# KiCad board v1b.kicad_pcb
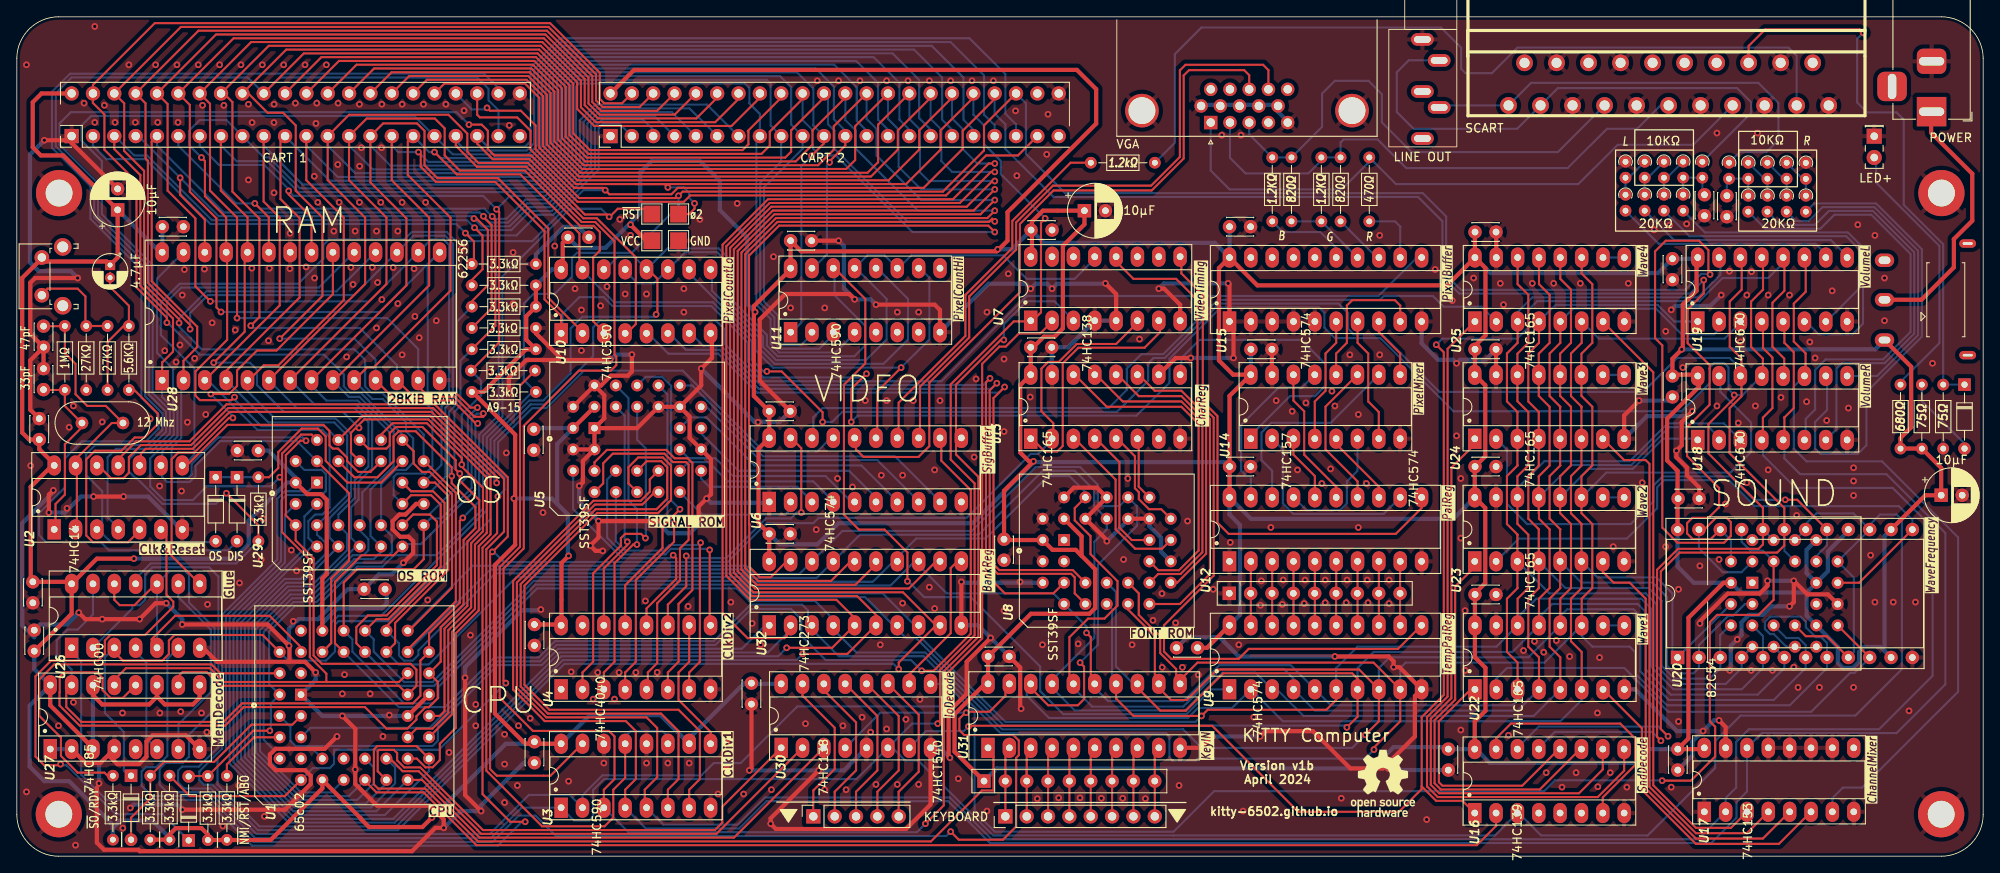
[diagram p0: board, top side]
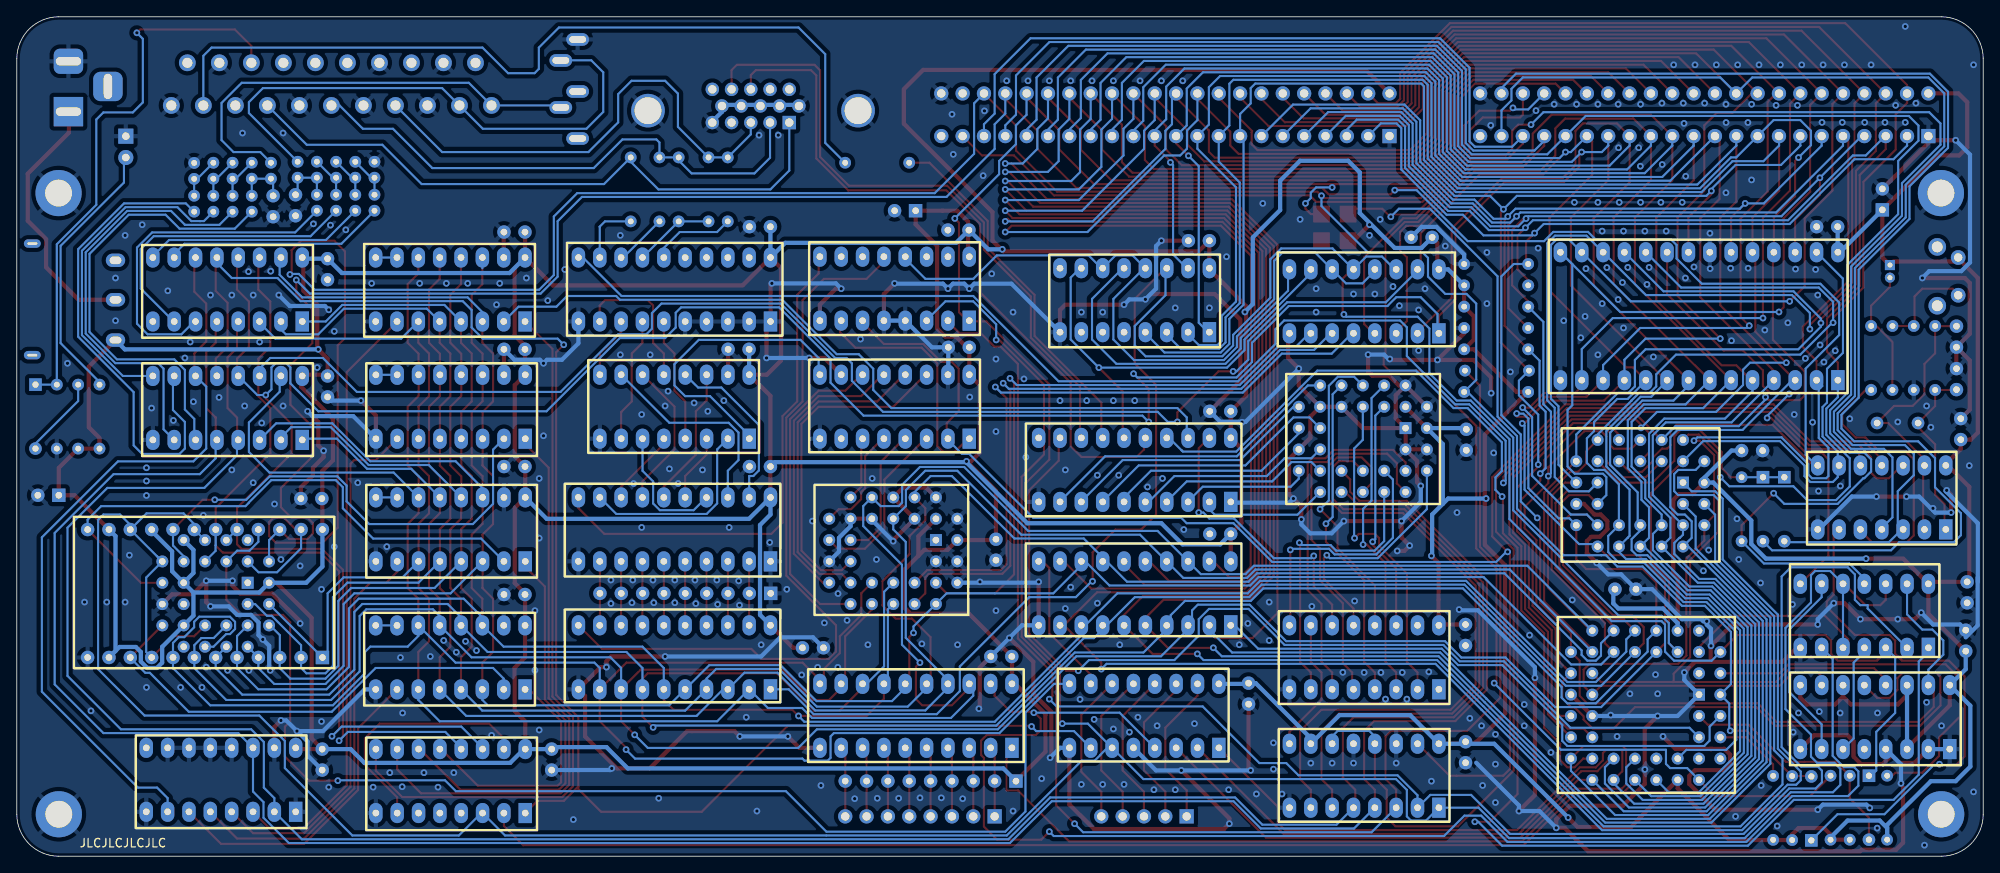
[diagram p1: board, bottom side, seen from below]

Outline 234 x 100 mm; copper layers: Top, Bottom. Coordinates in mm from the lower left corner of the outline.
Outline path: 0,95 0,5 arc(1.46,1.46) 5,0 229,0 arc(232.54,1.46) 234,5 234,95 arc(232.54,98.54) 229,100 5,100 arc(1.46,98.54) 0,95
Stack: Top 0.035mm / dielectric 1.51mm FR4 er 4.5 / Bottom 0.035mm

## Placement (name value [footprint] x y rotation side)
C1  4.7µF  [CP_Radial_D4.0mm_P1.50mm]  11.1 70.42 270 top
C2  33pF  [C_Disc_D3.0mm_W2.0mm_P2.50mm]  3.18 55.58 90 top
C3  47pF  [C_Disc_D3.0mm_W2.0mm_P2.50mm]  3.18 63.14 270 top
C4  100nF  [C_Disc_D3.0mm_W2.0mm_P2.50mm]  200.83 76.3 90 top
C5  100nF  [C_Disc_D3.0mm_W2.0mm_P2.50mm]  203.5 76.18 90 top
C6  10µF  [CP_Radial_D6.3mm_P2.50mm]  229 43 0 top
C7  10µF  [CP_Radial_D6.3mm_P2.50mm]  127.04 76.9 0 top
C8  10µF  [CP_Radial_D6.3mm_P2.50mm]  12 77 90 top
Cd1  100nF  [C_Disc_D3.0mm_W2.0mm_P2.50mm]  140.51 24.83 180 top
Cd2  100nF  [C_Disc_D3.0mm_W2.0mm_P2.50mm]  115.59 23.8 0 top
Cd3  100nF  [C_Disc_D3.0mm_W2.0mm_P2.50mm]  120.66 60.62 0 top
Cd4  100nF  [C_Disc_D3.0mm_W2.0mm_P2.50mm]  89.54 38.4 0 top
Cd5  100nF  [C_Disc_D3.0mm_W2.0mm_P2.50mm]  92.08 73.33 0 top
Cd6  100nF  [C_Disc_D3.0mm_W2.0mm_P2.50mm]  117.48 37.77 270 top
Cd7  100nF  [C_Disc_D3.0mm_W2.0mm_P2.50mm]  89.54 53 0 top
Cd8  100nF  [C_Disc_D3.0mm_W2.0mm_P2.50mm]  61.6 27.61 270 top
Cd9  100nF  [C_Disc_D3.0mm_W2.0mm_P2.50mm]  173.53 46.42 0 top
Cd10  100nF  [C_Disc_D3.0mm_W2.0mm_P2.50mm]  28.75 48.32 180 top
Cd11  100nF  [C_Disc_D3.0mm_W2.0mm_P2.50mm]  61.6 13.64 270 top
Cd12  100nF  [C_Disc_D3.0mm_W2.0mm_P2.50mm]  144.32 74.99 0 top
Cd13  100nF  [C_Disc_D3.0mm_W2.0mm_P2.50mm]  2.08 24.43 90 top
Cd14  100nF  [C_Disc_D3.0mm_W2.0mm_P2.50mm]  43.82 31.81 180 top
Cd15  100nF  [C_Disc_D3.0mm_W2.0mm_P2.50mm]  1.91 32.69 270 top
Cd16  100nF  [C_Disc_D3.0mm_W2.0mm_P2.50mm]  173.53 31.18 0 top
Cd17  100nF  [C_Disc_D3.0mm_W2.0mm_P2.50mm]  146.86 60.39 0 top
Cd18  100nF  [C_Disc_D3.0mm_W2.0mm_P2.50mm]  17.32 74.99 0 top
Cd19  100nF  [C_Disc_D3.0mm_W2.0mm_P2.50mm]  65.58 73.72 0 top
Cd20  100nF  [C_Disc_D3.0mm_W2.0mm_P2.50mm]  197.7 42.61 0 top
Cd22  100nF  [C_Disc_D3.0mm_W2.0mm_P2.50mm]  197.66 12.76 270 top
Cd23  100nF  [C_Disc_D3.0mm_W2.0mm_P2.50mm]  197.02 71.18 270 top
Cd24  100nF  [C_Disc_D3.0mm_W2.0mm_P2.50mm]  197.02 57.21 270 top
Cd25  100nF  [C_Disc_D3.0mm_W2.0mm_P2.50mm]  87.42 20.62 270 top
Cd26  100nF  [C_Disc_D3.0mm_W2.0mm_P2.50mm]  144.32 46.42 0 top
Cd27  100nF  [C_Disc_D3.0mm_W2.0mm_P2.50mm]  2.67 49.63 90 top
Cd28  100nF  [C_Disc_D3.0mm_W2.0mm_P2.50mm]  173.53 60.39 0 top
Cd29  100nF  [C_Disc_D3.0mm_W2.0mm_P2.50mm]  120.69 74.59 0 top
Cd30  100nF  [C_Disc_D3.0mm_W2.0mm_P2.50mm]  173.53 74.36 0 top
Cd31  100nF  [C_Disc_D3.0mm_W2.0mm_P2.50mm]  61.51 50.86 270 top
Cd32  100nF  [C_Disc_D3.0mm_W2.0mm_P2.50mm]  170.35 12.76 270 top
D1  D_Small  [D_DO-34_SOD68_P7.62mm_Horizontal]  13.59 9.59 270 top
D2  D_Small  [D_DO-34_SOD68_P7.62mm_Horizontal]  231.78 56.18 270 top
D3  Power  [LED_Rectangular_W5.0mm_H2.0mm]  221.03 85.78 270 top
D4  D_Small  [D_DO-34_SOD68_P7.62mm_Horizontal]  26.21 45.15 270 top
D5  D_Small  [D_DO-34_SOD68_P7.62mm_Horizontal]  23.67 45.15 270 top
D6  D_Small  [D_DO-34_SOD68_P7.62mm_Horizontal]  20.45 1.88 90 top
H1  MountingHole_Pad  [MountingHole_3.2mm_M3_ISO14580_Pad]  5.03 79 0 top
H2  MountingHole_Pad  [MountingHole_3.2mm_M3_ISO14580_Pad]  5 5 0 top
H3  MountingHole_Pad  [MountingHole_3.2mm_M3_ISO14580_Pad]  229.03 79 0 top
H4  MountingHole_Pad  [MountingHole_3.2mm_M3_ISO14580_Pad]  229 5 0 top
J1  KeyIN  [PinSocket_1x05_P2.54mm_Vertical]  94.79 4.75 90 top
J2  KeyOUT  [PinHeader_1x08_P2.54mm_Vertical]  117.64 4.75 90 top
J3  Barrel_Jack_MountingPin  [BarrelJack_Horizontal]  227.86 88.7 270 top
J4  SCART-F  [SCART]  196.56 96.72 180 top
J5  Conn_02x22_Odd_Even  [EdgeHeader_2x22_P2.54mm_Vertical]  6.52 85.79 90 top
J6  Conn_02x22_Odd_Even  [EdgeHeader_2x22_P2.54mm_Vertical]  70.65 85.79 90 top
J7  DE15_Plug_HighDensity_MountingHoles  [DSUB-15-HD_Female_Horizontal_P2.29x1.98mm_EdgePinOffset8.35mm_Housed_MountingHolesOffset10.89mm]  142.07 87.4 180 top
J8  PJ-325  [Jack_3.5mm_PJ-325]  171.36 98.5 180 top
R1  3.3kΩ  [R_Axial_DIN0204_L3.6mm_D1.6mm_P7.62mm_Horizontal]  15.88 9.59 270 top
R2  3.3kΩ  [R_Axial_DIN0204_L3.6mm_D1.6mm_P7.62mm_Horizontal]  61.77 55.31 180 top
R3  3.3kΩ  [R_Axial_DIN0204_L3.6mm_D1.6mm_P7.62mm_Horizontal]  18.17 9.59 270 top
R4  27KΩ  [R_Axial_DIN0204_L3.6mm_D1.6mm_P7.62mm_Horizontal]  8.26 63.17 270 top
R5  27KΩ  [R_Axial_DIN0204_L3.6mm_D1.6mm_P7.62mm_Horizontal]  10.8 63.17 270 top
R6  5.6KΩ  [R_Axial_DIN0204_L3.6mm_D1.6mm_P7.62mm_Horizontal]  13.34 63.17 270 top
R7  1MΩ  [R_Axial_DIN0204_L3.6mm_D1.6mm_P7.62mm_Horizontal]  5.72 55.55 90 top
R8  3.3kΩ  [R_Axial_DIN0204_L3.6mm_D1.6mm_P7.62mm_Horizontal]  54.05 57.85 0 top
R9  3.3kΩ  [R_Axial_DIN0204_L3.6mm_D1.6mm_P7.62mm_Horizontal]  54.15 60.39 0 top
R10  3.3kΩ  [R_Axial_DIN0204_L3.6mm_D1.6mm_P7.62mm_Horizontal]  54.15 62.93 0 top
R11  3.3kΩ  [R_Axial_DIN0204_L3.6mm_D1.6mm_P7.62mm_Horizontal]  54.15 65.47 0 top
R12  3.3kΩ  [R_Axial_DIN0204_L3.6mm_D1.6mm_P7.62mm_Horizontal]  54.15 68.01 0 top
R13  3.3kΩ  [R_Axial_DIN0204_L3.6mm_D1.6mm_P7.62mm_Horizontal]  54.15 70.55 0 top
R14  1.2KΩ  [R_Axial_DIN0204_L3.6mm_D1.6mm_P7.62mm_Horizontal]  149.4 75.63 90 top
R15  820Ω  [R_Axial_DIN0204_L3.6mm_D1.6mm_P7.62mm_Horizontal]  151.68 75.63 90 top
R16  1.2KΩ  [R_Axial_DIN0204_L3.6mm_D1.6mm_P7.62mm_Horizontal]  155.24 75.63 90 top
R17  820Ω  [R_Axial_DIN0204_L3.6mm_D1.6mm_P7.62mm_Horizontal]  157.53 75.63 90 top
R18  470Ω  [R_Axial_DIN0204_L3.6mm_D1.6mm_P7.62mm_Horizontal]  160.94 75.63 90 top
R19  20KΩ  [R_Axial_DIN0204_L3.6mm_D1.6mm_P1.90mm_Vertical]  191.44 78.8 270 top
R20  20KΩ  [R_Axial_DIN0204_L3.6mm_D1.6mm_P1.90mm_Vertical]  193.72 78.8 270 top
R21  20KΩ  [R_Axial_DIN0204_L3.6mm_D1.6mm_P1.90mm_Vertical]  196.01 78.8 270 top
R22  20KΩ  [R_Axial_DIN0204_L3.6mm_D1.6mm_P1.90mm_Vertical]  198.29 78.8 270 top
R23  20KΩ  [R_Axial_DIN0204_L3.6mm_D1.6mm_P1.90mm_Vertical]  191.44 82.73 270 top
R24  10KΩ  [R_Axial_DIN0204_L3.6mm_D1.6mm_P1.90mm_Vertical]  193.72 82.73 270 top
R25  10KΩ  [R_Axial_DIN0204_L3.6mm_D1.6mm_P1.90mm_Vertical]  196.01 82.73 270 top
R26  10KΩ  [R_Axial_DIN0204_L3.6mm_D1.6mm_P1.90mm_Vertical]  198.29 82.73 270 top
R27  R_Small  [R_Axial_DIN0204_L3.6mm_D1.6mm_P1.90mm_Vertical]  200.58 82.73 270 top
R28  20KΩ  [R_Axial_DIN0204_L3.6mm_D1.6mm_P1.90mm_Vertical]  212.9 78.68 270 top
R29  20KΩ  [R_Axial_DIN0204_L3.6mm_D1.6mm_P1.90mm_Vertical]  210.61 78.68 270 top
R30  20KΩ  [R_Axial_DIN0204_L3.6mm_D1.6mm_P1.90mm_Vertical]  208.33 78.68 270 top
R31  20KΩ  [R_Axial_DIN0204_L3.6mm_D1.6mm_P1.90mm_Vertical]  206.04 78.68 270 top
R32  20KΩ  [R_Axial_DIN0204_L3.6mm_D1.6mm_P1.90mm_Vertical]  212.9 82.59 270 top
R33  10KΩ  [R_Axial_DIN0204_L3.6mm_D1.6mm_P1.90mm_Vertical]  210.61 82.61 270 top
R34  10KΩ  [R_Axial_DIN0204_L3.6mm_D1.6mm_P1.90mm_Vertical]  208.33 82.61 270 top
R35  10KΩ  [R_Axial_DIN0204_L3.6mm_D1.6mm_P1.90mm_Vertical]  206.04 82.61 270 top
R36  R_Small  [R_Axial_DIN0204_L3.6mm_D1.6mm_P1.90mm_Vertical]  203.75 82.61 270 top
R37  3.3kΩ  [R_Axial_DIN0204_L3.6mm_D1.6mm_P7.62mm_Horizontal]  28.75 37.53 90 top
R38  75Ω  [R_Axial_DIN0204_L3.6mm_D1.6mm_P7.62mm_Horizontal]  226.7 48.56 90 top
R39  1.2kΩ  [R_Axial_DIN0204_L3.6mm_D1.6mm_P7.62mm_Horizontal]  127.81 82.61 0 top
R40  75Ω  [R_Axial_DIN0204_L3.6mm_D1.6mm_P7.62mm_Horizontal]  229.24 56.18 270 top
R41  680Ω  [R_Axial_DIN0204_L3.6mm_D1.6mm_P7.62mm_Horizontal]  224.16 48.56 90 top
R42  3.3kΩ  [R_Axial_DIN0204_L3.6mm_D1.6mm_P7.62mm_Horizontal]  11.44 9.59 270 top
R43  3.3kΩ  [R_Axial_DIN0204_L3.6mm_D1.6mm_P7.62mm_Horizontal]  22.74 9.55 270 top
R44  3.3kΩ  [R_Axial_DIN0204_L3.6mm_D1.6mm_P7.62mm_Horizontal]  25 9.57 270 top
RN1  3.3kΩ  [R_Array_SIP9]  144.29 31.31 0 top
RN2  100KΩ  [R_Array_SIP9]  115.1 8.95 0 top
SW1  RESET  [SW_Tactile_SPST_Angled_PTS645Vx83-2LFS]  2.98 66.83 90 top
SW2  SS-12D11-G5  [SW_Slide_1P2T_CK_OS102011MS2Q]  229.56 64.29 90 top
SY1  Logo_Open_Hardware_Small  [OSHW-Logo_7.5x8mm_SilkScreen]  162.56 8.68 0 top
TP1  TestPoint  [TestPoint_Pad_2.0x2.0mm]  75.57 73.33 0 top
TP2  TestPoint  [TestPoint_Pad_2.0x2.0mm]  78.75 73.33 0 top
TP3  TestPoint  [TestPoint_Pad_2.0x2.0mm]  75.57 76.5 0 top
TP4  TestPoint  [TestPoint_Pad_2.0x2.0mm]  78.75 76.5 0 top
U1  65c02  [PLCC-44_THT-Socket]  33.82 19.25 90 top
U2  74HC14  [DIP-14_W7.62mm_Socket_LongPads]  4.45 38.94 90 top
U3  74HC590  [DIP-16_W7.62mm_Socket_LongPads]  64.78 5.78 90 top
U4  74HC4040  [DIP-16_W7.62mm_Socket_LongPads]  64.78 19.89 90 top
U5  SST39SF  [PLCC-32_THT-Socket]  68.74 51 90 top
U6  74HC574  [DIP-20_W7.62mm_Socket_LongPads]  89.54 42.21 90 top
U7  74HC138  [DIP-16_W7.62mm_Socket_LongPads]  120.66 63.8 90 top
U8  SST39SF  [PLCC-32_THT-Socket]  124.62 37.67 90 top
U9  74HC574  [DIP-20_W7.62mm_Socket_LongPads]  144.31 19.89 90 top
U10  74HC590  [DIP-16_W7.62mm_Socket_LongPads]  64.78 62.29 90 top
U11  74HC590  [DIP-16_W7.62mm_Socket_LongPads]  92.08 62.43 90 top
U12  74HC574  [DIP-20_W7.62mm_Socket_LongPads]  144.31 35.12 90 top
U13  74HC165  [DIP-16_W7.62mm_Socket_LongPads]  120.66 49.74 90 top
U14  74HC157  [DIP-16_W7.62mm_Socket_LongPads]  146.84 49.74 90 top
U15  74HC574  [DIP-20_W7.62mm_Socket_LongPads]  144.31 63.7 90 top
U16  74HC139  [DIP-16_W7.62mm_Socket_LongPads]  173.49 5.14 90 top
U17  74HC153  [DIP-16_W7.62mm_Socket_LongPads]  200.81 5.29 90 top
U18  74HC670  [DIP-16_W7.62mm_Socket_LongPads]  200.03 49.59 90 top
U19  74HC670  [DIP-16_W7.62mm_Socket_LongPads]  200.03 63.7 90 top
U20  82C54  [DIP-24_W15.24mm_Socket]  197.63 23.67 90 top
U21  82C54 (PLCC)  [PLCC-28_THT-Socket]  206.52 32.58 90 top
U22  74HC165  [DIP-16_W7.62mm_Socket_LongPads]  173.52 19.88 90 top
U23  74HC165  [DIP-16_W7.62mm_Socket_LongPads]  173.49 35.12 90 top
U24  74HC165  [DIP-16_W7.62mm_Socket_LongPads]  173.49 49.73 90 top
U25  74HC165  [DIP-16_W7.62mm_Socket_LongPads]  173.52 63.7 90 top
U26  74HC00  [DIP-14_W7.62mm_Socket_LongPads]  6.52 24.83 90 top
U27  74HC85  [DIP-16_W7.62mm_Socket_LongPads]  3.98 12.76 90 top
U28  62256  [DIP-28_W15.24mm_Socket_LongPads]  17.29 56.71 90 top
U29  SST39SF  [PLCC-32_THT-Socket]  35.72 44.51 90 top
U30  74HC138  [DIP-16_W7.62mm_Socket_LongPads]  90.96 12.91 90 top
U31  74HCT540  [DIP-20_W7.62mm_Socket_LongPads]  115.57 12.91 90 top
U32  74HC273  [DIP-20_W7.62mm_Socket_LongPads]  89.54 27.5 90 top
Y1  12 Mhz  [Crystal_HC49-U_Vertical]  7.75 51.61 0 top

## Library data of the parts
C1 C6-C8 = -: Description: Polarized capacitor
C2 C3 = -: Description: Unpolarized capacitor, small symbol
C4 C5 Cd1-Cd20 Cd22-Cd32 = -: Description: Unpolarized capacitor
D1 D2 D4-D6 = -: Description: Diode, small symbol; Sim.Device: D; Sim.Pins: 1=K 2=A
D3 = -: Description: Light emitting diode, filled shape
H1-H4 = -: Description: Mounting Hole with connection
J1 = -: Description: Generic connector, single row, 01x05, script generated
J2 = -: Description: Generic connector, single row, 01x08, script generated (kicad-library-utils/schlib/autogen/connector/)
J3 = -: Description: DC Barrel Jack with a mounting pin
J4 = -: Description: Prise Peritel
J5 J6 = -: Description: Generic connector, double row, 02x22, odd/even pin numbering scheme (row 1 odd numbers, row 2 even numbers), script generated (kicad-library-utils/schlib/autogen/connector/)
J7 = -: Description: 15-pin male plug socket D-SUB connector, High density (3 columns), Triple Row, Generic, VGA-connector, Mounting Hole
J8 = -: Description: Audio Jack, 3 Poles (Stereo / TRS), Switched TR Poles (Normalling)
R1-R3 R7-R13 R19-R44 = -: Description: Resistor, small symbol
R4-R6 R14-R18 = -: Description: Resistor
RN1 RN2 = -: Description: 8 resistor network, star topology, bussed resistors, small symbol
SW1 = -: Description: Push button switch, generic, two pins
SW2 = -: Description: Switch, single pole double throw
SY1 = -: Description: Open Hardware logo, small
TP1-TP4 = -: Description: test point
U1 = -: Description: W65C02S 8-bit CMOS General Purpose Microprocessor, PLCC-44
U2 = -: Description: Hex inverter schmitt trigger
U3 = -: Description: 8-bit Binary Counter with Output Register 3-State Outputs, SOIC-16/TSSOP-16
U4 = -: Description: Binary Counter 12 stages (Asynchronous)
U5 = -: Description: 512K x 8 5v Flash Nor; Label: Video Sig ROM
U6 U9 U12 U15 = -: Description: 8-bit Register, 3-state outputs
U7 U30 = -: Description: 3-to-8 line decoder/multiplexer inverting, DIP-16/SOIC-16/SSOP-16
U8 U29 = -: Description: 512K x 8 5v Flash Nor
U10 U11 = -: Description: 8-bit Binary Counter with Output Register 3-State Outputs, DIP-16/SOIC-16/SOIC-16W
U13 U22-U25 = -: Description: Shift Register, 8-bit, Parallel Load
U14 = -: Description: Quad 2 to 1 line Multiplexer
U16 = -: Description: Dual Decoder 1 of 4, Active low outputs
U17 = -: Description: Dual Multiplexer 4 to 1
U18 U19 = -: Description: 4 x 4 Register Files 3-State Outputs
U20 = -: Description: CHMOS Programmable Interval Timer, PDIP-24
U21 = -: Description: CHMOS Programmable Interval Timer, PLCC-28
U26 = -: Description: quad 2-input NAND gate
U27 = -: Description: 4-bit Comparator
U28 = -: Description: 32,768-word × 8-bit High Speed CMOS Static RAM, 70ns, DIP-28
U31 = -: Description: 8-bit Buffer/Line driver Inverter, 3-state outputs
U32 = -: Description: 8-bit D Flip-Flop, reset
Y1 = -: Description: Two pin crystal

## Footprints (pads in the part's own frame, mm; a bottom-side part is the same pattern mirrored in y, then rotated)
BarrelJack_Horizontal
  rect 3.5x3.5 hole 1x3: 1(0,0)
  rrect 3x3.5 hole 1x3: 2(-6,0)
  rrect 3.5x3.5 hole 3x1: MP(-3,-4.7)
C_Disc_D3.0mm_W2.0mm_P2.50mm
  round 1.6 hole 0.8: 1(0,0) 2(2.5,0)
CP_Radial_D4.0mm_P1.50mm
  rect 1.2x1.2 hole 0.6: 1(0,0)
  round 1.2 hole 0.6: 2(1.5,0)
CP_Radial_D6.3mm_P2.50mm
  rect 1.6x1.6 hole 0.8: 1(0,0)
  round 1.6 hole 0.8: 2(2.5,0)
Crystal_HC49-U_Vertical
  round 1.5 hole 0.8: 1(0,0) 2(4.88,0)
D_DO-34_SOD68_P7.62mm_Horizontal
  rect 1.5x1.5 hole 0.75: 1(0,0)
  oval 1.5x1.5 hole 0.75: 2(7.62,0)
DIP-14_W7.62mm_Socket_LongPads
  rect 2.4x1.6 hole 0.8: 1(0,0)
  oval 2.4x1.6 hole 0.8: 2(0,-2.54) 3(0,-5.08) 4(0,-7.62) 5(0,-10.16) 6(0,-12.7) 7(0,-15.24) 8(7.62,-15.24) 9(7.62,-12.7) 10(7.62,-10.16) 11(7.62,-7.62) 12(7.62,-5.08) 13(7.62,-2.54) 14(7.62,0)
DIP-16_W7.62mm_Socket_LongPads
  rect 2.4x1.6 hole 0.8: 1(0,0)
  oval 2.4x1.6 hole 0.8: 2(0,-2.54) 3(0,-5.08) 4(0,-7.62) 5(0,-10.16) 6(0,-12.7) 7(0,-15.24) 8(0,-17.78) 9(7.62,-17.78) 10(7.62,-15.24) 11(7.62,-12.7) 12(7.62,-10.16) 13(7.62,-7.62) 14(7.62,-5.08) 15(7.62,-2.54) 16(7.62,0)
DIP-20_W7.62mm_Socket_LongPads
  rect 2.4x1.6 hole 0.8: 1(0,0)
  oval 2.4x1.6 hole 0.8: 2(0,-2.54) 3(0,-5.08) 4(0,-7.62) 5(0,-10.16) 6(0,-12.7) 7(0,-15.24) 8(0,-17.78) 9(0,-20.32) 10(0,-22.86) 11(7.62,-22.86) 12(7.62,-20.32) 13(7.62,-17.78) 14(7.62,-15.24) 15(7.62,-12.7) 16(7.62,-10.16) 17(7.62,-7.62) 18(7.62,-5.08) 19(7.62,-2.54) 20(7.62,0)
DIP-24_W15.24mm_Socket
  rect 1.6x1.6 hole 0.8: 1(0,0)
  oval 1.6x1.6 hole 0.8: 2(0,-2.54) 3(0,-5.08) 4(0,-7.62) 5(0,-10.16) 6(0,-12.7) 7(0,-15.24) 8(0,-17.78) 9(0,-20.32) 10(0,-22.86) 11(0,-25.4) 12(0,-27.94) 13(15.24,-27.94) 14(15.24,-25.4) 15(15.24,-22.86) 16(15.24,-20.32) 17(15.24,-17.78) 18(15.24,-15.24) 19(15.24,-12.7) 20(15.24,-10.16) 21(15.24,-7.62) 22(15.24,-5.08) 23(15.24,-2.54) 24(15.24,0)
DIP-28_W15.24mm_Socket_LongPads
  rect 2.4x1.6 hole 0.8: 1(0,0)
  oval 2.4x1.6 hole 0.8: 2(0,-2.54) 3(0,-5.08) 4(0,-7.62) 5(0,-10.16) 6(0,-12.7) 7(0,-15.24) 8(0,-17.78) 9(0,-20.32) 10(0,-22.86) 11(0,-25.4) 12(0,-27.94) 13(0,-30.48) 14(0,-33.02) 15(15.24,-33.02) 16(15.24,-30.48) 17(15.24,-27.94) 18(15.24,-25.4) 19(15.24,-22.86) 20(15.24,-20.32) 21(15.24,-17.78) 22(15.24,-15.24) 23(15.24,-12.7) 24(15.24,-10.16) 25(15.24,-7.62) 26(15.24,-5.08) 27(15.24,-2.54) 28(15.24,0)
DSUB-15-HD_Female_Horizontal_P2.29x1.98mm_EdgePinOffset8.35mm_Housed_MountingHolesOffset10.89mm
  round 4 hole 3.2: 0(-16.815,-1.42) 0(8.185,-1.42)
  rect 1.6x1.6 hole 1: 1(0,0)
  round 1.6 hole 1: 2(-2.29,0) 3(-4.58,0) 4(-6.87,0) 5(-9.16,0) 6(1.145,-1.98) 7(-1.145,-1.98) 8(-3.435,-1.98) 9(-5.725,-1.98) 10(-8.015,-1.98) 11(0,-3.96) 12(-2.29,-3.96) 13(-4.58,-3.96) 14(-6.87,-3.96) 15(-9.16,-3.96)
EdgeHeader_2x22_P2.54mm_Vertical
  rect 1.7x1.7 hole 1: 1(0,0)
  oval 1.7x1.7 hole 1: 2(5.08,0) 3(0,-2.54) 4(5.08,-2.54) 5(0,-5.08) 6(5.08,-5.08) 7(0,-7.62) 8(5.08,-7.62) 9(0,-10.16) 10(5.08,-10.16) 11(0,-12.7) 12(5.08,-12.7) 13(0,-15.24) 14(5.08,-15.24) 15(0,-17.78) 16(5.08,-17.78) 17(0,-20.32) 18(5.08,-20.32) 19(0,-22.86) 20(5.08,-22.86) 21(0,-25.4) 22(5.08,-25.4) 23(0,-27.94) 24(5.08,-27.94) 25(0,-30.48) 26(5.08,-30.48) 27(0,-33.02) 28(5.08,-33.02) 29(0,-35.56) 30(5.08,-35.56) 31(0,-38.1) 32(5.08,-38.1) 33(0,-40.64) 34(5.08,-40.64) 35(0,-43.18) 36(5.08,-43.18) 37(0,-45.72) 38(5.08,-45.72) 39(0,-48.26) 40(5.08,-48.26)
  round 1.7 hole 1: 41(0,-50.8) 42(5.08,-50.8) 43(0,-53.34) 44(5.08,-53.34)
Jack_3.5mm_PJ-325
  oval 2.7x1.5 hole 2x0.8: R(2.1,9.3) RN(4.1,7.4) S(4.1,1.2) T(2.1,3.7) TN(4.1,13)
LED_Rectangular_W5.0mm_H2.0mm
  rect 1.8x1.8 hole 0.9: 1(0,0)
  round 1.8 hole 0.9: 2(2.54,0)
MountingHole_3.2mm_M3_ISO14580_Pad
  round 5.5 hole 3.2: 1(0,0)
PinHeader_1x08_P2.54mm_Vertical
  rect 1.7x1.7 hole 1: 1(0,0)
  oval 1.7x1.7 hole 1: 2(0,-2.54) 3(0,-5.08) 4(0,-7.62) 5(0,-10.16) 6(0,-12.7) 7(0,-15.24) 8(0,-17.78)
PinSocket_1x05_P2.54mm_Vertical
  rect 1.7x1.7 hole 1: 1(0,0)
  oval 1.7x1.7 hole 1: 2(0,-2.54) 3(0,-5.08) 4(0,-7.62) 5(0,-10.16)
PLCC-28_THT-Socket
  rect 1.422x1.422 hole 0.8: 1(0,0)
  round 1.422 hole 0.8: 2(-2.54,2.54) 3(-2.54,0) 4(-5.08,2.54) 5(-7.62,0) 6(-5.08,0) 7(-7.62,-2.54) 8(-5.08,-2.54) 9(-7.62,-5.08) 10(-5.08,-5.08) 11(-7.62,-7.62) 12(-5.08,-10.16) 13(-5.08,-7.62) 14(-2.54,-10.16) 15(-2.54,-7.62) 16(0,-10.16) 17(0,-7.62) 18(2.54,-10.16) 19(5.08,-7.62) 20(2.54,-7.62) 21(5.08,-5.08) 22(2.54,-5.08) 23(5.08,-2.54) 24(2.54,-2.54) 25(5.08,0) 26(2.54,2.54) 27(2.54,0) 28(0,2.54)
PLCC-32_THT-Socket
  rect 1.422x1.422 hole 0.8: 1(0,0)
  round 1.422 hole 0.8: 2(-2.54,2.54) 3(-2.54,0) 4(-5.08,2.54) 5(-7.62,0) 6(-5.08,0) 7(-7.62,-2.54) 8(-5.08,-2.54) 9(-7.62,-5.08) 10(-5.08,-5.08) 11(-7.62,-7.62) 12(-5.08,-7.62) 13(-7.62,-10.16) 14(-5.08,-12.7) 15(-5.08,-10.16) 16(-2.54,-12.7) 17(-2.54,-10.16) 18(0,-12.7) 19(0,-10.16) 20(2.54,-12.7) 21(5.08,-10.16) 22(2.54,-10.16) 23(5.08,-7.62) 24(2.54,-7.62) 25(5.08,-5.08) 26(2.54,-5.08) 27(5.08,-2.54) 28(2.54,-2.54) 29(5.08,0) 30(2.54,2.54) 31(2.54,0) 32(0,2.54)
PLCC-44_THT-Socket
  rect 1.422x1.422 hole 0.8: 1(0,0)
  round 1.422 hole 0.8: 2(-2.54,2.54) 3(-2.54,0) 4(-5.08,2.54) 5(-5.08,0) 6(-7.62,2.54) 7(-10.16,0) 8(-7.62,0) 9(-10.16,-2.54) 10(-7.62,-2.54) 11(-10.16,-5.08) 12(-7.62,-5.08) 13(-10.16,-7.62) 14(-7.62,-7.62) 15(-10.16,-10.16) 16(-7.62,-10.16) 17(-10.16,-12.7) 18(-7.62,-15.24) 19(-7.62,-12.7) 20(-5.08,-15.24) 21(-5.08,-12.7) 22(-2.54,-15.24) 23(-2.54,-12.7) 24(0,-15.24) 25(0,-12.7) 26(2.54,-15.24) 27(2.54,-12.7) 28(5.08,-15.24) 29(7.62,-12.7) 30(5.08,-12.7) 31(7.62,-10.16) 32(5.08,-10.16) 33(7.62,-7.62) 34(5.08,-7.62) 35(7.62,-5.08) 36(5.08,-5.08) 37(7.62,-2.54) 38(5.08,-2.54) 39(7.62,0) 40(5.08,2.54) 41(5.08,0) 42(2.54,2.54) 43(2.54,0) 44(0,2.54)
R_Array_SIP9
  rect 1.6x1.6 hole 0.8: 1(0,0)
  oval 1.6x1.6 hole 0.8: 2(2.54,0) 3(5.08,0) 4(7.62,0) 5(10.16,0) 6(12.7,0) 7(15.24,0) 8(17.78,0) 9(20.32,0)
R_Axial_DIN0204_L3.6mm_D1.6mm_P1.90mm_Vertical
  round 1.4 hole 0.7: 1(0,0)
  oval 1.4x1.4 hole 0.7: 2(1.9,0)
R_Axial_DIN0204_L3.6mm_D1.6mm_P7.62mm_Horizontal
  round 1.4 hole 0.7: 1(0,0)
  oval 1.4x1.4 hole 0.7: 2(7.62,0)
SCART
  round 1.999 hole 1.199: 1(19.05,7.28) 2(17.145,2.2) 3(15.24,7.28) 4(13.335,2.2) 5(11.43,7.28) 6(9.525,2.2) 7(7.62,7.28) 8(5.715,2.2) 9(3.81,7.28) 10(1.905,2.2) 11(0,7.28) 12(-1.905,2.2) 13(-3.81,7.28) 14(-5.715,2.2) 15(-7.62,7.28) 16(-9.525,2.2) 17(-11.43,7.28) 18(-13.335,2.2) 19(-15.24,7.28) 20(-17.145,2.2) 21(-19.05,7.28)
SW_Slide_1P2T_CK_OS102011MS2Q
  oval 1x2 hole 0.3x1.2: (-4.6,-2.6) (8.7,-2.6)
  oval 1.6x2.3 hole 0.8x1.4: 1(-2.8,7.3)
  oval 1.6x2.3 hole 0.9x1.4: 2(2,7.3) 3(6.7,7.3)
SW_Tactile_SPST_Angled_PTS645Vx83-2LFS
  round 2.1 hole 1.3: (-1.25,-2.49) (5.76,-2.49)
  round 1.75 hole 0.99: 1(0,0) 2(4.5,0)
TestPoint_Pad_2.0x2.0mm
  rect 2x2 smd: 1(0,0)
